# Allegro board LED_FIN.brd (continued)
## Placement (name value [footprint] x y rotation side) (continued)
D9192  0603_LED  [0603_SINGLE]  59.25 236 0 top
D9193  0603_LED  [0603_SINGLE]  61.25 236 0 top
D9194  0603_LED  [0603_SINGLE]  63.25 236 0 top
D9195  0603_LED  [0603_SINGLE]  65.25 236 0 top
D9196  0603_LED  [0603_SINGLE]  67.25 236 0 top
D9197  0603_LED  [0603_SINGLE]  69.25 236 0 top
D9198  0603_LED  [0603_SINGLE]  71.25 236 0 top
D9199  0603_LED  [0603_SINGLE]  73.25 236 0 top
D9200  0603_LED  [0603_SINGLE]  75.25 236 0 top
D9201  0603_LED  [0603_SINGLE]  77.25 236 0 top
D9202  0603_LED  [0603_SINGLE]  79.25 236 0 top
D9203  0603_LED  [0603_SINGLE]  81.25 236 0 top
D9204  0603_LED  [0603_SINGLE]  83.25 236 0 top
D9205  0603_LED  [0603_SINGLE]  85.25 236 0 top
D9206  0603_LED  [0603_SINGLE]  87.25 236 0 top
D9207  0603_LED  [0603_SINGLE]  89.25 236 0 top
D9208  0603_LED  [0603_SINGLE]  91.25 236 0 top
D9209  0603_LED  [0603_SINGLE]  93.25 236 0 top
D9210  0603_LED  [0603_SINGLE]  95.25 236 0 top
D9211  0603_LED  [0603_SINGLE]  37.25 234 0 top
D9212  0603_LED  [0603_SINGLE]  39.25 234 0 top
D9213  0603_LED  [0603_SINGLE]  41.25 234 0 top
D9214  0603_LED  [0603_SINGLE]  43.25 234 0 top
D9215  0603_LED  [0603_SINGLE]  45.25 234 0 top
D9216  0603_LED  [0603_SINGLE]  47.25 234 0 top
D9217  0603_LED  [0603_SINGLE]  49.25 234 0 top
D9218  0603_LED  [0603_SINGLE]  51.25 234 0 top
D9219  0603_LED  [0603_SINGLE]  53.25 234 0 top
D9220  0603_LED  [0603_SINGLE]  55.25 234 0 top
D9221  0603_LED  [0603_SINGLE]  57.25 234 0 top
D9222  0603_LED  [0603_SINGLE]  59.25 234 0 top
D9223  0603_LED  [0603_SINGLE]  61.25 234 0 top
D9224  0603_LED  [0603_SINGLE]  63.25 234 0 top
D9225  0603_LED  [0603_SINGLE]  65.25 234 0 top
D9226  0603_LED  [0603_SINGLE]  67.25 234 0 top
D9227  0603_LED  [0603_SINGLE]  69.25 234 0 top
D9228  0603_LED  [0603_SINGLE]  71.25 234 0 top
D9229  0603_LED  [0603_SINGLE]  73.25 234 0 top
D9230  0603_LED  [0603_SINGLE]  75.25 234 0 top
D9231  0603_LED  [0603_SINGLE]  77.25 234 0 top
D9232  0603_LED  [0603_SINGLE]  79.25 234 0 top
D9233  0603_LED  [0603_SINGLE]  81.25 234 0 top
D9234  0603_LED  [0603_SINGLE]  83.25 234 0 top
D9235  0603_LED  [0603_SINGLE]  85.25 234 0 top
D9236  0603_LED  [0603_SINGLE]  87.25 234 0 top
D9237  0603_LED  [0603_SINGLE]  89.25 234 0 top
D9238  0603_LED  [0603_SINGLE]  91.25 234 0 top
D9239  0603_LED  [0603_SINGLE]  93.25 234 0 top
D9240  0603_LED  [0603_SINGLE]  95.25 234 0 top
D9241  0603_LED  [0603_SINGLE]  37.25 232 0 top
D9242  0603_LED  [0603_SINGLE]  39.25 232 0 top
D9243  0603_LED  [0603_SINGLE]  41.25 232 0 top
D9244  0603_LED  [0603_SINGLE]  43.25 232 0 top
D9245  0603_LED  [0603_SINGLE]  45.25 232 0 top
D9246  0603_LED  [0603_SINGLE]  47.25 232 0 top
D9247  0603_LED  [0603_SINGLE]  49.25 232 0 top
D9248  0603_LED  [0603_SINGLE]  51.25 232 0 top
D9249  0603_LED  [0603_SINGLE]  53.25 232 0 top
D9250  0603_LED  [0603_SINGLE]  55.25 232 0 top
D9251  0603_LED  [0603_SINGLE]  57.25 232 0 top
D9252  0603_LED  [0603_SINGLE]  59.25 232 0 top
D9253  0603_LED  [0603_SINGLE]  61.25 232 0 top
D9254  0603_LED  [0603_SINGLE]  63.25 232 0 top
D9255  0603_LED  [0603_SINGLE]  65.25 232 0 top
D9256  0603_LED  [0603_SINGLE]  67.25 232 0 top
D9257  0603_LED  [0603_SINGLE]  69.25 232 0 top
D9258  0603_LED  [0603_SINGLE]  71.25 232 0 top
D9259  0603_LED  [0603_SINGLE]  73.25 232 0 top
D9260  0603_LED  [0603_SINGLE]  75.25 232 0 top
D9261  0603_LED  [0603_SINGLE]  77.25 232 0 top
D9262  0603_LED  [0603_SINGLE]  79.25 232 0 top
D9263  0603_LED  [0603_SINGLE]  81.25 232 0 top
D9264  0603_LED  [0603_SINGLE]  83.25 232 0 top
D9265  0603_LED  [0603_SINGLE]  85.25 232 0 top
D9266  0603_LED  [0603_SINGLE]  87.25 232 0 top
D9267  0603_LED  [0603_SINGLE]  89.25 232 0 top
D9268  0603_LED  [0603_SINGLE]  91.25 232 0 top
D9269  0603_LED  [0603_SINGLE]  93.25 232 0 top
D9270  0603_LED  [0603_SINGLE]  95.25 232 0 top
D9271  0603_LED  [0603_SINGLE]  37.25 230 0 top
D9272  0603_LED  [0603_SINGLE]  39.25 230 0 top
D9273  0603_LED  [0603_SINGLE]  41.25 230 0 top
D9274  0603_LED  [0603_SINGLE]  43.25 230 0 top
D9275  0603_LED  [0603_SINGLE]  45.25 230 0 top
D9276  0603_LED  [0603_SINGLE]  47.25 230 0 top
D9277  0603_LED  [0603_SINGLE]  49.25 230 0 top
D9278  0603_LED  [0603_SINGLE]  51.25 230 0 top
D9279  0603_LED  [0603_SINGLE]  53.25 230 0 top
D9280  0603_LED  [0603_SINGLE]  55.25 230 0 top
D9281  0603_LED  [0603_SINGLE]  57.25 230 0 top
D9282  0603_LED  [0603_SINGLE]  59.25 230 0 top
D9283  0603_LED  [0603_SINGLE]  61.25 230 0 top
D9284  0603_LED  [0603_SINGLE]  63.25 230 0 top
D9285  0603_LED  [0603_SINGLE]  65.25 230 0 top
D9286  0603_LED  [0603_SINGLE]  67.25 230 0 top
D9287  0603_LED  [0603_SINGLE]  69.25 230 0 top
D9288  0603_LED  [0603_SINGLE]  71.25 230 0 top
D9289  0603_LED  [0603_SINGLE]  73.25 230 0 top
D9290  0603_LED  [0603_SINGLE]  75.25 230 0 top
D9291  0603_LED  [0603_SINGLE]  77.25 230 0 top
D9292  0603_LED  [0603_SINGLE]  79.25 230 0 top
D9293  0603_LED  [0603_SINGLE]  81.25 230 0 top
D9294  0603_LED  [0603_SINGLE]  83.25 230 0 top
D9295  0603_LED  [0603_SINGLE]  85.25 230 0 top
D9296  0603_LED  [0603_SINGLE]  87.25 230 0 top
D9297  0603_LED  [0603_SINGLE]  89.25 230 0 top
D9298  0603_LED  [0603_SINGLE]  91.25 230 0 top
D9299  0603_LED  [0603_SINGLE]  93.25 230 0 top
D9300  0603_LED  [0603_SINGLE]  95.25 230 0 top
D9301  0603_LED  [0603_SINGLE]  37.25 228 0 top
D9302  0603_LED  [0603_SINGLE]  39.25 228 0 top
D9303  0603_LED  [0603_SINGLE]  41.25 228 0 top
D9304  0603_LED  [0603_SINGLE]  43.25 228 0 top
D9305  0603_LED  [0603_SINGLE]  45.25 228 0 top
D9306  0603_LED  [0603_SINGLE]  47.25 228 0 top
D9307  0603_LED  [0603_SINGLE]  49.25 228 0 top
D9308  0603_LED  [0603_SINGLE]  51.25 228 0 top
D9309  0603_LED  [0603_SINGLE]  53.25 228 0 top
D9310  0603_LED  [0603_SINGLE]  55.25 228 0 top
D9311  0603_LED  [0603_SINGLE]  57.25 228 0 top
D9312  0603_LED  [0603_SINGLE]  59.25 228 0 top
D9313  0603_LED  [0603_SINGLE]  61.25 228 0 top
D9314  0603_LED  [0603_SINGLE]  63.25 228 0 top
D9315  0603_LED  [0603_SINGLE]  65.25 228 0 top
D9316  0603_LED  [0603_SINGLE]  67.25 228 0 top
D9317  0603_LED  [0603_SINGLE]  69.25 228 0 top
D9318  0603_LED  [0603_SINGLE]  71.25 228 0 top
D9319  0603_LED  [0603_SINGLE]  73.25 228 0 top
D9320  0603_LED  [0603_SINGLE]  75.25 228 0 top
D9321  0603_LED  [0603_SINGLE]  77.25 228 0 top
D9322  0603_LED  [0603_SINGLE]  79.25 228 0 top
D9323  0603_LED  [0603_SINGLE]  81.25 228 0 top
D9324  0603_LED  [0603_SINGLE]  83.25 228 0 top
D9325  0603_LED  [0603_SINGLE]  85.25 228 0 top
D9326  0603_LED  [0603_SINGLE]  87.25 228 0 top
D9327  0603_LED  [0603_SINGLE]  89.25 228 0 top
D9328  0603_LED  [0603_SINGLE]  91.25 228 0 top
D9329  0603_LED  [0603_SINGLE]  93.25 228 0 top
D9330  0603_LED  [0603_SINGLE]  95.25 228 0 top
D9331  0603_LED  [0603_SINGLE]  37.25 226 0 top
D9332  0603_LED  [0603_SINGLE]  39.25 226 0 top
D9333  0603_LED  [0603_SINGLE]  41.25 226 0 top
D9334  0603_LED  [0603_SINGLE]  43.25 226 0 top
D9335  0603_LED  [0603_SINGLE]  45.25 226 0 top
D9336  0603_LED  [0603_SINGLE]  47.25 226 0 top
D9337  0603_LED  [0603_SINGLE]  49.25 226 0 top
D9338  0603_LED  [0603_SINGLE]  51.25 226 0 top
D9339  0603_LED  [0603_SINGLE]  53.25 226 0 top
D9340  0603_LED  [0603_SINGLE]  55.25 226 0 top
D9341  0603_LED  [0603_SINGLE]  57.25 226 0 top
D9342  0603_LED  [0603_SINGLE]  59.25 226 0 top
D9343  0603_LED  [0603_SINGLE]  61.25 226 0 top
D9344  0603_LED  [0603_SINGLE]  63.25 226 0 top
D9345  0603_LED  [0603_SINGLE]  65.25 226 0 top
D9346  0603_LED  [0603_SINGLE]  67.25 226 0 top
D9347  0603_LED  [0603_SINGLE]  69.25 226 0 top
D9348  0603_LED  [0603_SINGLE]  71.25 226 0 top
D9349  0603_LED  [0603_SINGLE]  73.25 226 0 top
D9350  0603_LED  [0603_SINGLE]  75.25 226 0 top
D9351  0603_LED  [0603_SINGLE]  77.25 226 0 top
D9352  0603_LED  [0603_SINGLE]  79.25 226 0 top
D9353  0603_LED  [0603_SINGLE]  81.25 226 0 top
D9354  0603_LED  [0603_SINGLE]  83.25 226 0 top
D9355  0603_LED  [0603_SINGLE]  85.25 226 0 top
D9356  0603_LED  [0603_SINGLE]  87.25 226 0 top
D9357  0603_LED  [0603_SINGLE]  89.25 226 0 top
D9358  0603_LED  [0603_SINGLE]  91.25 226 0 top
D9359  0603_LED  [0603_SINGLE]  93.25 226 0 top
D9360  0603_LED  [0603_SINGLE]  95.25 226 0 top
D9361  0603_LED  [0603_SINGLE]  37.25 224 0 top
D9362  0603_LED  [0603_SINGLE]  39.25 224 0 top
D9363  0603_LED  [0603_SINGLE]  41.25 224 0 top
D9364  0603_LED  [0603_SINGLE]  43.25 224 0 top
D9365  0603_LED  [0603_SINGLE]  45.25 224 0 top
D9366  0603_LED  [0603_SINGLE]  47.25 224 0 top
D9367  0603_LED  [0603_SINGLE]  49.25 224 0 top
D9368  0603_LED  [0603_SINGLE]  51.25 224 0 top
D9369  0603_LED  [0603_SINGLE]  53.25 224 0 top
D9370  0603_LED  [0603_SINGLE]  55.25 224 0 top
D9371  0603_LED  [0603_SINGLE]  57.25 224 0 top
D9372  0603_LED  [0603_SINGLE]  59.25 224 0 top
D9373  0603_LED  [0603_SINGLE]  61.25 224 0 top
D9374  0603_LED  [0603_SINGLE]  63.25 224 0 top
D9375  0603_LED  [0603_SINGLE]  65.25 224 0 top
D9376  0603_LED  [0603_SINGLE]  67.25 224 0 top
D9377  0603_LED  [0603_SINGLE]  69.25 224 0 top
D9378  0603_LED  [0603_SINGLE]  71.25 224 0 top
D9379  0603_LED  [0603_SINGLE]  73.25 224 0 top
D9380  0603_LED  [0603_SINGLE]  75.25 224 0 top
D9381  0603_LED  [0603_SINGLE]  77.25 224 0 top
D9382  0603_LED  [0603_SINGLE]  79.25 224 0 top
D9383  0603_LED  [0603_SINGLE]  81.25 224 0 top
D9384  0603_LED  [0603_SINGLE]  83.25 224 0 top
D9385  0603_LED  [0603_SINGLE]  85.25 224 0 top
D9386  0603_LED  [0603_SINGLE]  87.25 224 0 top
D9387  0603_LED  [0603_SINGLE]  89.25 224 0 top
D9388  0603_LED  [0603_SINGLE]  91.25 224 0 top
D9389  0603_LED  [0603_SINGLE]  93.25 224 0 top
D9390  0603_LED  [0603_SINGLE]  95.25 224 0 top
D9391  0603_LED  [0603_SINGLE]  37.25 222 0 top
D9392  0603_LED  [0603_SINGLE]  39.25 222 0 top
D9393  0603_LED  [0603_SINGLE]  41.25 222 0 top
D9394  0603_LED  [0603_SINGLE]  43.25 222 0 top
D9395  0603_LED  [0603_SINGLE]  45.25 222 0 top
D9396  0603_LED  [0603_SINGLE]  47.25 222 0 top
D9397  0603_LED  [0603_SINGLE]  49.25 222 0 top
D9398  0603_LED  [0603_SINGLE]  51.25 222 0 top
D9399  0603_LED  [0603_SINGLE]  53.25 222 0 top
D9400  0603_LED  [0603_SINGLE]  55.25 222 0 top
D9401  0603_LED  [0603_SINGLE]  57.25 222 0 top
D9402  0603_LED  [0603_SINGLE]  59.25 222 0 top
D9403  0603_LED  [0603_SINGLE]  61.25 222 0 top
D9404  0603_LED  [0603_SINGLE]  63.25 222 0 top
D9405  0603_LED  [0603_SINGLE]  65.25 222 0 top
D9406  0603_LED  [0603_SINGLE]  67.25 222 0 top
D9407  0603_LED  [0603_SINGLE]  69.25 222 0 top
D9408  0603_LED  [0603_SINGLE]  71.25 222 0 top
D9409  0603_LED  [0603_SINGLE]  73.25 222 0 top
D9410  0603_LED  [0603_SINGLE]  75.25 222 0 top
D9411  0603_LED  [0603_SINGLE]  77.25 222 0 top
D9412  0603_LED  [0603_SINGLE]  79.25 222 0 top
D9413  0603_LED  [0603_SINGLE]  81.25 222 0 top
D9414  0603_LED  [0603_SINGLE]  83.25 222 0 top
D9415  0603_LED  [0603_SINGLE]  85.25 222 0 top
D9416  0603_LED  [0603_SINGLE]  87.25 222 0 top
D9417  0603_LED  [0603_SINGLE]  89.25 222 0 top
D9418  0603_LED  [0603_SINGLE]  91.25 222 0 top
D9419  0603_LED  [0603_SINGLE]  93.25 222 0 top
D9420  0603_LED  [0603_SINGLE]  95.25 222 0 top
D9421  0603_LED  [0603_SINGLE]  37.25 220 0 top
D9422  0603_LED  [0603_SINGLE]  39.25 220 0 top
D9423  0603_LED  [0603_SINGLE]  41.25 220 0 top
D9424  0603_LED  [0603_SINGLE]  43.25 220 0 top
D9425  0603_LED  [0603_SINGLE]  45.25 220 0 top
D9426  0603_LED  [0603_SINGLE]  47.25 220 0 top
D9427  0603_LED  [0603_SINGLE]  49.25 220 0 top
D9428  0603_LED  [0603_SINGLE]  51.25 220 0 top
D9429  0603_LED  [0603_SINGLE]  53.25 220 0 top
D9430  0603_LED  [0603_SINGLE]  55.25 220 0 top
D9431  0603_LED  [0603_SINGLE]  57.25 220 0 top
D9432  0603_LED  [0603_SINGLE]  59.25 220 0 top
D9433  0603_LED  [0603_SINGLE]  61.25 220 0 top
D9434  0603_LED  [0603_SINGLE]  63.25 220 0 top
D9435  0603_LED  [0603_SINGLE]  65.25 220 0 top
D9436  0603_LED  [0603_SINGLE]  67.25 220 0 top
D9437  0603_LED  [0603_SINGLE]  69.25 220 0 top
D9438  0603_LED  [0603_SINGLE]  71.25 220 0 top
D9439  0603_LED  [0603_SINGLE]  73.25 220 0 top
D9440  0603_LED  [0603_SINGLE]  75.25 220 0 top
D9441  0603_LED  [0603_SINGLE]  77.25 220 0 top
D9442  0603_LED  [0603_SINGLE]  79.25 220 0 top
D9443  0603_LED  [0603_SINGLE]  81.25 220 0 top
D9444  0603_LED  [0603_SINGLE]  83.25 220 0 top
D9445  0603_LED  [0603_SINGLE]  85.25 220 0 top
D9446  0603_LED  [0603_SINGLE]  87.25 220 0 top
D9447  0603_LED  [0603_SINGLE]  89.25 220 0 top
D9448  0603_LED  [0603_SINGLE]  91.25 220 0 top
D9449  0603_LED  [0603_SINGLE]  93.25 220 0 top
D9450  0603_LED  [0603_SINGLE]  95.25 220 0 top
D9451  0603_LED  [0603_SINGLE]  37.25 218 0 top
D9452  0603_LED  [0603_SINGLE]  39.25 218 0 top
D9453  0603_LED  [0603_SINGLE]  41.25 218 0 top
D9454  0603_LED  [0603_SINGLE]  43.25 218 0 top
D9455  0603_LED  [0603_SINGLE]  45.25 218 0 top
D9456  0603_LED  [0603_SINGLE]  47.25 218 0 top
D9457  0603_LED  [0603_SINGLE]  49.25 218 0 top
D9458  0603_LED  [0603_SINGLE]  51.25 218 0 top
D9459  0603_LED  [0603_SINGLE]  53.25 218 0 top
D9460  0603_LED  [0603_SINGLE]  55.25 218 0 top
D9461  0603_LED  [0603_SINGLE]  57.25 218 0 top
D9462  0603_LED  [0603_SINGLE]  59.25 218 0 top
D9463  0603_LED  [0603_SINGLE]  61.25 218 0 top
D9464  0603_LED  [0603_SINGLE]  63.25 218 0 top
D9465  0603_LED  [0603_SINGLE]  65.25 218 0 top
D9466  0603_LED  [0603_SINGLE]  67.25 218 0 top
D9467  0603_LED  [0603_SINGLE]  69.25 218 0 top
D9468  0603_LED  [0603_SINGLE]  71.25 218 0 top
D9469  0603_LED  [0603_SINGLE]  73.25 218 0 top
D9470  0603_LED  [0603_SINGLE]  75.25 218 0 top
D9471  0603_LED  [0603_SINGLE]  77.25 218 0 top
D9472  0603_LED  [0603_SINGLE]  79.25 218 0 top
D9473  0603_LED  [0603_SINGLE]  81.25 218 0 top
D9474  0603_LED  [0603_SINGLE]  83.25 218 0 top
D9475  0603_LED  [0603_SINGLE]  85.25 218 0 top
D9476  0603_LED  [0603_SINGLE]  87.25 218 0 top
D9477  0603_LED  [0603_SINGLE]  89.25 218 0 top
D9478  0603_LED  [0603_SINGLE]  91.25 218 0 top
D9479  0603_LED  [0603_SINGLE]  93.25 218 0 top
D9480  0603_LED  [0603_SINGLE]  95.25 218 0 top
D9481  0603_LED  [0603_SINGLE]  37.25 216 0 top
D9482  0603_LED  [0603_SINGLE]  39.25 216 0 top
D9483  0603_LED  [0603_SINGLE]  41.25 216 0 top
D9484  0603_LED  [0603_SINGLE]  43.25 216 0 top
D9485  0603_LED  [0603_SINGLE]  45.25 216 0 top
D9486  0603_LED  [0603_SINGLE]  47.25 216 0 top
D9487  0603_LED  [0603_SINGLE]  49.25 216 0 top
D9488  0603_LED  [0603_SINGLE]  51.25 216 0 top
D9489  0603_LED  [0603_SINGLE]  53.25 216 0 top
D9490  0603_LED  [0603_SINGLE]  55.25 216 0 top
D9491  0603_LED  [0603_SINGLE]  57.25 216 0 top
D9492  0603_LED  [0603_SINGLE]  59.25 216 0 top
D9493  0603_LED  [0603_SINGLE]  61.25 216 0 top
D9494  0603_LED  [0603_SINGLE]  63.25 216 0 top
D9495  0603_LED  [0603_SINGLE]  65.25 216 0 top
D9496  0603_LED  [0603_SINGLE]  67.25 216 0 top
D9497  0603_LED  [0603_SINGLE]  69.25 216 0 top
D9498  0603_LED  [0603_SINGLE]  71.25 216 0 top
D9499  0603_LED  [0603_SINGLE]  73.25 216 0 top
D9500  0603_LED  [0603_SINGLE]  75.25 216 0 top
D9501  0603_LED  [0603_SINGLE]  77.25 216 0 top
D9502  0603_LED  [0603_SINGLE]  79.25 216 0 top
D9503  0603_LED  [0603_SINGLE]  81.25 216 0 top
D9504  0603_LED  [0603_SINGLE]  83.25 216 0 top
D9505  0603_LED  [0603_SINGLE]  85.25 216 0 top
D9506  0603_LED  [0603_SINGLE]  87.25 216 0 top
D9507  0603_LED  [0603_SINGLE]  89.25 216 0 top
D9508  0603_LED  [0603_SINGLE]  91.25 216 0 top
D9509  0603_LED  [0603_SINGLE]  93.25 216 0 top
D9510  0603_LED  [0603_SINGLE]  95.25 216 0 top
D9511  0603_LED  [0603_SINGLE]  37.25 214 0 top
D9512  0603_LED  [0603_SINGLE]  39.25 214 0 top
D9513  0603_LED  [0603_SINGLE]  41.25 214 0 top
D9514  0603_LED  [0603_SINGLE]  43.25 214 0 top
D9515  0603_LED  [0603_SINGLE]  45.25 214 0 top
D9516  0603_LED  [0603_SINGLE]  47.25 214 0 top
D9517  0603_LED  [0603_SINGLE]  49.25 214 0 top
D9518  0603_LED  [0603_SINGLE]  51.25 214 0 top
D9519  0603_LED  [0603_SINGLE]  53.25 214 0 top
D9520  0603_LED  [0603_SINGLE]  55.25 214 0 top
D9521  0603_LED  [0603_SINGLE]  57.25 214 0 top
D9522  0603_LED  [0603_SINGLE]  59.25 214 0 top
D9523  0603_LED  [0603_SINGLE]  61.25 214 0 top
D9524  0603_LED  [0603_SINGLE]  63.25 214 0 top
D9525  0603_LED  [0603_SINGLE]  65.25 214 0 top
D9526  0603_LED  [0603_SINGLE]  67.25 214 0 top
D9527  0603_LED  [0603_SINGLE]  69.25 214 0 top
D9528  0603_LED  [0603_SINGLE]  71.25 214 0 top
D9529  0603_LED  [0603_SINGLE]  73.25 214 0 top
D9530  0603_LED  [0603_SINGLE]  75.25 214 0 top
D9531  0603_LED  [0603_SINGLE]  77.25 214 0 top
D9532  0603_LED  [0603_SINGLE]  79.25 214 0 top
D9533  0603_LED  [0603_SINGLE]  81.25 214 0 top
D9534  0603_LED  [0603_SINGLE]  83.25 214 0 top
D9535  0603_LED  [0603_SINGLE]  85.25 214 0 top
D9536  0603_LED  [0603_SINGLE]  87.25 214 0 top
D9537  0603_LED  [0603_SINGLE]  89.25 214 0 top
D9538  0603_LED  [0603_SINGLE]  91.25 214 0 top
D9539  0603_LED  [0603_SINGLE]  93.25 214 0 top
D9540  0603_LED  [0603_SINGLE]  95.25 214 0 top
D9541  0603_LED  [0603_SINGLE]  37.25 212 0 top
D9542  0603_LED  [0603_SINGLE]  39.25 212 0 top
D9543  0603_LED  [0603_SINGLE]  41.25 212 0 top
D9544  0603_LED  [0603_SINGLE]  43.25 212 0 top
D9545  0603_LED  [0603_SINGLE]  45.25 212 0 top
D9546  0603_LED  [0603_SINGLE]  47.25 212 0 top
D9547  0603_LED  [0603_SINGLE]  49.25 212 0 top
D9548  0603_LED  [0603_SINGLE]  51.25 212 0 top
D9549  0603_LED  [0603_SINGLE]  53.25 212 0 top
D9550  0603_LED  [0603_SINGLE]  55.25 212 0 top
D9551  0603_LED  [0603_SINGLE]  57.25 212 0 top
D9552  0603_LED  [0603_SINGLE]  59.25 212 0 top
D9553  0603_LED  [0603_SINGLE]  61.25 212 0 top
D9554  0603_LED  [0603_SINGLE]  63.25 212 0 top
D9555  0603_LED  [0603_SINGLE]  65.25 212 0 top
D9556  0603_LED  [0603_SINGLE]  67.25 212 0 top
D9557  0603_LED  [0603_SINGLE]  69.25 212 0 top
D9558  0603_LED  [0603_SINGLE]  71.25 212 0 top
D9559  0603_LED  [0603_SINGLE]  73.25 212 0 top
D9560  0603_LED  [0603_SINGLE]  75.25 212 0 top
D9561  0603_LED  [0603_SINGLE]  77.25 212 0 top
D9562  0603_LED  [0603_SINGLE]  79.25 212 0 top
D9563  0603_LED  [0603_SINGLE]  81.25 212 0 top
D9564  0603_LED  [0603_SINGLE]  83.25 212 0 top
D9565  0603_LED  [0603_SINGLE]  85.25 212 0 top
D9566  0603_LED  [0603_SINGLE]  87.25 212 0 top
D9567  0603_LED  [0603_SINGLE]  89.25 212 0 top
D9568  0603_LED  [0603_SINGLE]  91.25 212 0 top
D9569  0603_LED  [0603_SINGLE]  93.25 212 0 top
D9570  0603_LED  [0603_SINGLE]  95.25 212 0 top
D9571  0603_LED  [0603_SINGLE]  37.25 210 0 top
D9572  0603_LED  [0603_SINGLE]  39.25 210 0 top
D9573  0603_LED  [0603_SINGLE]  41.25 210 0 top
D9574  0603_LED  [0603_SINGLE]  43.25 210 0 top
D9575  0603_LED  [0603_SINGLE]  45.25 210 0 top
D9576  0603_LED  [0603_SINGLE]  47.25 210 0 top
D9577  0603_LED  [0603_SINGLE]  49.25 210 0 top
D9578  0603_LED  [0603_SINGLE]  51.25 210 0 top
D9579  0603_LED  [0603_SINGLE]  53.25 210 0 top
D9580  0603_LED  [0603_SINGLE]  55.25 210 0 top
D9581  0603_LED  [0603_SINGLE]  57.25 210 0 top
D9582  0603_LED  [0603_SINGLE]  59.25 210 0 top
D9583  0603_LED  [0603_SINGLE]  61.25 210 0 top
D9584  0603_LED  [0603_SINGLE]  63.25 210 0 top
D9585  0603_LED  [0603_SINGLE]  65.25 210 0 top
D9586  0603_LED  [0603_SINGLE]  67.25 210 0 top
D9587  0603_LED  [0603_SINGLE]  69.25 210 0 top
D9588  0603_LED  [0603_SINGLE]  71.25 210 0 top
D9589  0603_LED  [0603_SINGLE]  73.25 210 0 top
D9590  0603_LED  [0603_SINGLE]  75.25 210 0 top
D9591  0603_LED  [0603_SINGLE]  77.25 210 0 top
D9592  0603_LED  [0603_SINGLE]  79.25 210 0 top
D9593  0603_LED  [0603_SINGLE]  81.25 210 0 top
D9594  0603_LED  [0603_SINGLE]  83.25 210 0 top
D9595  0603_LED  [0603_SINGLE]  85.25 210 0 top
D9596  0603_LED  [0603_SINGLE]  87.25 210 0 top
D9597  0603_LED  [0603_SINGLE]  89.25 210 0 top
D9598  0603_LED  [0603_SINGLE]  91.25 210 0 top
D9599  0603_LED  [0603_SINGLE]  93.25 210 0 top
D9600  0603_LED  [0603_SINGLE]  95.25 210 0 top
D9601  0603_LED  [0603_SINGLE]  37.25 208 0 top
D9602  0603_LED  [0603_SINGLE]  39.25 208 0 top
D9603  0603_LED  [0603_SINGLE]  41.25 208 0 top
D9604  0603_LED  [0603_SINGLE]  43.25 208 0 top
D9605  0603_LED  [0603_SINGLE]  45.25 208 0 top
D9606  0603_LED  [0603_SINGLE]  47.25 208 0 top
D9607  0603_LED  [0603_SINGLE]  49.25 208 0 top
D9608  0603_LED  [0603_SINGLE]  51.25 208 0 top
D9609  0603_LED  [0603_SINGLE]  53.25 208 0 top
D9610  0603_LED  [0603_SINGLE]  55.25 208 0 top
D9611  0603_LED  [0603_SINGLE]  57.25 208 0 top
D9612  0603_LED  [0603_SINGLE]  59.25 208 0 top
D9613  0603_LED  [0603_SINGLE]  61.25 208 0 top
D9614  0603_LED  [0603_SINGLE]  63.25 208 0 top
D9615  0603_LED  [0603_SINGLE]  65.25 208 0 top
D9616  0603_LED  [0603_SINGLE]  67.25 208 0 top
D9617  0603_LED  [0603_SINGLE]  69.25 208 0 top
D9618  0603_LED  [0603_SINGLE]  71.25 208 0 top
D9619  0603_LED  [0603_SINGLE]  73.25 208 0 top
D9620  0603_LED  [0603_SINGLE]  75.25 208 0 top
D9621  0603_LED  [0603_SINGLE]  77.25 208 0 top
D9622  0603_LED  [0603_SINGLE]  79.25 208 0 top
D9623  0603_LED  [0603_SINGLE]  81.25 208 0 top
D9624  0603_LED  [0603_SINGLE]  83.25 208 0 top
D9625  0603_LED  [0603_SINGLE]  85.25 208 0 top
D9626  0603_LED  [0603_SINGLE]  87.25 208 0 top
D9627  0603_LED  [0603_SINGLE]  89.25 208 0 top
D9628  0603_LED  [0603_SINGLE]  91.25 208 0 top
D9629  0603_LED  [0603_SINGLE]  93.25 208 0 top
D9630  0603_LED  [0603_SINGLE]  95.25 208 0 top
D9631  0603_LED  [0603_SINGLE]  37.25 206 0 top
D9632  0603_LED  [0603_SINGLE]  39.25 206 0 top
D9633  0603_LED  [0603_SINGLE]  41.25 206 0 top
D9634  0603_LED  [0603_SINGLE]  43.25 206 0 top
D9635  0603_LED  [0603_SINGLE]  45.25 206 0 top
D9636  0603_LED  [0603_SINGLE]  47.25 206 0 top
D9637  0603_LED  [0603_SINGLE]  49.25 206 0 top
D9638  0603_LED  [0603_SINGLE]  51.25 206 0 top
D9639  0603_LED  [0603_SINGLE]  53.25 206 0 top
D9640  0603_LED  [0603_SINGLE]  55.25 206 0 top
D9641  0603_LED  [0603_SINGLE]  57.25 206 0 top
D9642  0603_LED  [0603_SINGLE]  59.25 206 0 top
D9643  0603_LED  [0603_SINGLE]  61.25 206 0 top
D9644  0603_LED  [0603_SINGLE]  63.25 206 0 top
D9645  0603_LED  [0603_SINGLE]  65.25 206 0 top
D9646  0603_LED  [0603_SINGLE]  67.25 206 0 top
D9647  0603_LED  [0603_SINGLE]  69.25 206 0 top
D9648  0603_LED  [0603_SINGLE]  71.25 206 0 top
D9649  0603_LED  [0603_SINGLE]  73.25 206 0 top
D9650  0603_LED  [0603_SINGLE]  75.25 206 0 top
D9651  0603_LED  [0603_SINGLE]  77.25 206 0 top
D9652  0603_LED  [0603_SINGLE]  79.25 206 0 top
D9653  0603_LED  [0603_SINGLE]  81.25 206 0 top
D9654  0603_LED  [0603_SINGLE]  83.25 206 0 top
D9655  0603_LED  [0603_SINGLE]  85.25 206 0 top
D9656  0603_LED  [0603_SINGLE]  87.25 206 0 top
D9657  0603_LED  [0603_SINGLE]  89.25 206 0 top
D9658  0603_LED  [0603_SINGLE]  91.25 206 0 top
D9659  0603_LED  [0603_SINGLE]  93.25 206 0 top
D9660  0603_LED  [0603_SINGLE]  95.25 206 0 top
D9661  0603_LED  [0603_SINGLE]  37.25 204 0 top
D9662  0603_LED  [0603_SINGLE]  39.25 204 0 top
D9663  0603_LED  [0603_SINGLE]  41.25 204 0 top
D9664  0603_LED  [0603_SINGLE]  43.25 204 0 top
D9665  0603_LED  [0603_SINGLE]  45.25 204 0 top
D9666  0603_LED  [0603_SINGLE]  47.25 204 0 top
D9667  0603_LED  [0603_SINGLE]  49.25 204 0 top
D9668  0603_LED  [0603_SINGLE]  51.25 204 0 top
D9669  0603_LED  [0603_SINGLE]  53.25 204 0 top
D9670  0603_LED  [0603_SINGLE]  55.25 204 0 top
D9671  0603_LED  [0603_SINGLE]  57.25 204 0 top
D9672  0603_LED  [0603_SINGLE]  59.25 204 0 top
D9673  0603_LED  [0603_SINGLE]  61.25 204 0 top
D9674  0603_LED  [0603_SINGLE]  63.25 204 0 top
D9675  0603_LED  [0603_SINGLE]  65.25 204 0 top
D9676  0603_LED  [0603_SINGLE]  67.25 204 0 top
D9677  0603_LED  [0603_SINGLE]  69.25 204 0 top
D9678  0603_LED  [0603_SINGLE]  71.25 204 0 top
D9679  0603_LED  [0603_SINGLE]  73.25 204 0 top
D9680  0603_LED  [0603_SINGLE]  75.25 204 0 top
D9681  0603_LED  [0603_SINGLE]  77.25 204 0 top
D9682  0603_LED  [0603_SINGLE]  79.25 204 0 top
D9683  0603_LED  [0603_SINGLE]  81.25 204 0 top
D9684  0603_LED  [0603_SINGLE]  83.25 204 0 top
D9685  0603_LED  [0603_SINGLE]  85.25 204 0 top
D9686  0603_LED  [0603_SINGLE]  87.25 204 0 top
D9687  0603_LED  [0603_SINGLE]  89.25 204 0 top
D9688  0603_LED  [0603_SINGLE]  91.25 204 0 top
D9689  0603_LED  [0603_SINGLE]  93.25 204 0 top
D9690  0603_LED  [0603_SINGLE]  95.25 204 0 top
D9691  0603_LED  [0603_SINGLE]  37.25 202 0 top
D9692  0603_LED  [0603_SINGLE]  39.25 202 0 top
D9693  0603_LED  [0603_SINGLE]  41.25 202 0 top
D9694  0603_LED  [0603_SINGLE]  43.25 202 0 top
D9695  0603_LED  [0603_SINGLE]  45.25 202 0 top
D9696  0603_LED  [0603_SINGLE]  47.25 202 0 top
D9697  0603_LED  [0603_SINGLE]  49.25 202 0 top
D9698  0603_LED  [0603_SINGLE]  51.25 202 0 top
D9699  0603_LED  [0603_SINGLE]  53.25 202 0 top
D9700  0603_LED  [0603_SINGLE]  55.25 202 0 top
D9701  0603_LED  [0603_SINGLE]  57.25 202 0 top
D9702  0603_LED  [0603_SINGLE]  59.25 202 0 top
D9703  0603_LED  [0603_SINGLE]  61.25 202 0 top
D9704  0603_LED  [0603_SINGLE]  63.25 202 0 top
D9705  0603_LED  [0603_SINGLE]  65.25 202 0 top
D9706  0603_LED  [0603_SINGLE]  67.25 202 0 top
D9707  0603_LED  [0603_SINGLE]  69.25 202 0 top
D9708  0603_LED  [0603_SINGLE]  71.25 202 0 top
D9709  0603_LED  [0603_SINGLE]  73.25 202 0 top
D9710  0603_LED  [0603_SINGLE]  75.25 202 0 top